# Altium PCB Timingcard_PCB.PcbDoc (part 3 of 3)
Units mil, origin at the board's own origin, x right, y up, seen from the top; angles counter-clockwise.
Board outline 7087.6 x 4375.98 mil, 6 copper layers (TOP, SGND, IN1, IN2, SGND1, BOTTOM), stack 47.2 mil thick; 167 components, 148 nets, 951 pads, 435 vias.
Unrouted connection lines stored in the file: 225.
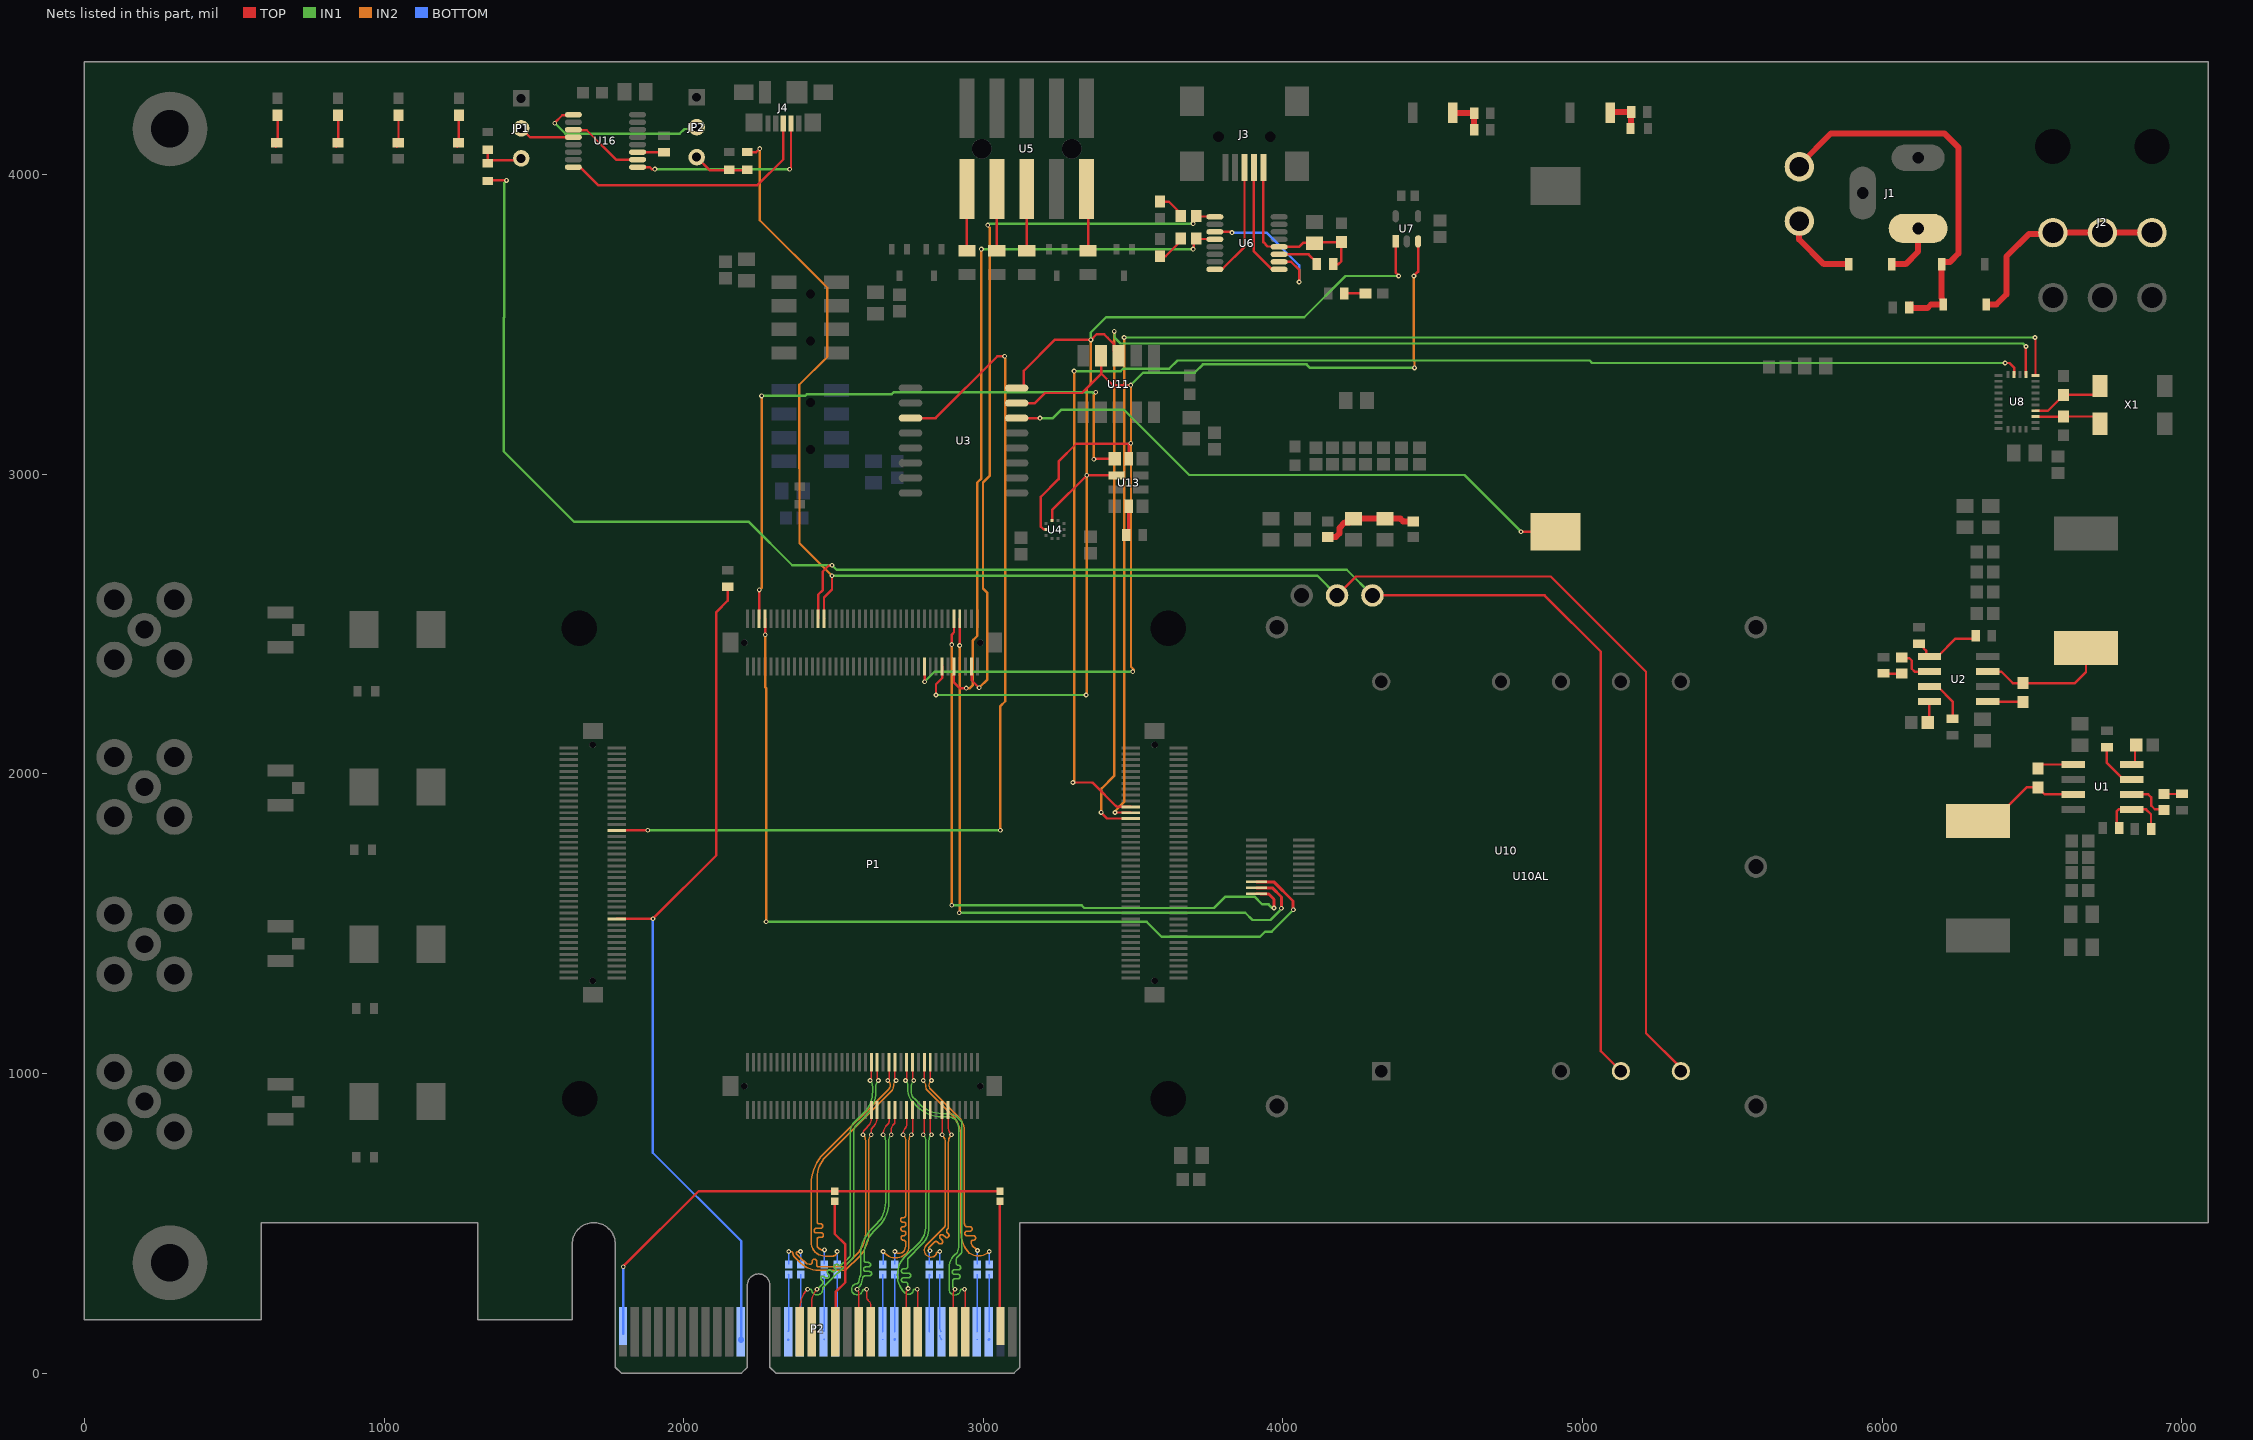
[diagram p7: the nets of this part, all layers, seen from the top]

## Via types
v1: diameter 16, hole 8, TOP to BOTTOM, 428 vias
v2: diameter 200, hole 125.98, TOP to BOTTOM, 4 vias
v3: diameter 32, hole 16, TOP to BOTTOM, 3 vias

## Nets (pads, with @x,y where several pads share a name; then routed paths per layer and width w, separated by ;. In a path a pad name is that pad's centre, name@x,y a point inside that pad or via, vN(x,y) a via of type N, cw(c..) or ccw(c..) an arc to the next point about the centre after c; other vN are vias at no path point) (continued)
MAC_RX: P1.B-28 R13.1 U10.P7 U10AL.6 | length 6086.2
  TOP w8: R13.1@2212.6,4074.8 2242.13,4074.8 v1(2253.94,4086.61) ; P1.B-28@2468.88,2518.25 2468.18,2518.95 2468.18,2588.15 2494.84,2614.81 v1(2494.84,2661.06) ; U10.P7@4180.51,2595.34 4243.64,2658.46 4893.7,2658.46 5211.61,2340.55 5211.61,1133.86 5327.76,1017.72 U10AL.6@5327.76,1007.48
  IN1 w8: v1(2494.84,2661.06) 4114.79,2661.06 U10.P7@4180.51,2595.34
  IN2 w8: v1(2253.94,4086.61) 2253.94,3847.44 2479.33,3622.05 2479.33,3391.73 2385.83,3298.23 2385.83,3019.69 2386.5,3019.01 2386.5,2769.41 v1(2494.84,2661.06)
MAC_TX: P1.B-26 R11.1 U10.P8 U10AL.5 | length 6539.1
  TOP w8: R11.1@1346.46,3978.35 1348.43,3980.32 v1(1408.46,3980.32) ; P1.B-26@2449.19,2518.25 2449.19,2597.81 2463.58,2612.2 2463.58,2674.21 2484,2694.63 2493.41,2694.63 v1(2494.84,2696.06) ; U10.P8@4298.62,2595.34 4873.16,2595.34 5061.02,2407.48 5061.02,1074.21 U10AL.5@5127.76,1007.48
  IN1 w8: v1(1408.46,3980.32) 1408.46,3979.5 1400.59,3971.63 1400.59,3523.52 1399.61,3522.54 1399.61,3075.79 1634.84,2840.55 2217.52,2840.55 2362.01,2696.06 v1(2494.84,2696.06) 2509.84,2681.06 4212.9,2681.06 U10.P8@4298.62,2595.34
MAC_USB+: P1.B-72 U10.2 | length 2165.5
  TOP w8: v1(2894.84,2431.06) 2894.84,2465 2901.95,2472.11 P1.B-72@2901.95,2518.25
  TOP w10: U10.2@3911.42,1599.62 3925.48,1599.62 3925.56,1599.54 3951.36,1599.54 3969.84,1581.06 v1(3969.84,1552.06)
  IN1 w8: v1(2894.84,1561.06) 3327.84,1561.06 3336.84,1552.06 3769.84,1552.06 3807.84,1590.06 3904.78,1590.06 3930.84,1564 3951.9,1564 3963.84,1552.06 v1(3969.84,1552.06)
  IN2 w8: v1(2894.84,1561.06) v1(2894.84,2431.06)
MAC_USB-: P1.B-74 U10.4 | length 2219.5
  TOP w8: v1(2920.84,2428.06) 2920.74,2428.17 2920.74,2517.36 P1.B-74@2921.63,2518.25
  TOP w10: U10.4@3911.42,1619.62 3911.5,1619.54 3964.36,1619.54 3994.84,1589.06 v1(3994.84,1551.06)
  IN1 w8: v1(2919.84,1536.06) 3873.78,1536.06 3897.78,1512.06 3958.13,1512.06 3989.84,1543.78 3989.84,1543.9 3994.84,1548.9 v1(3994.84,1551.06)
  IN2 w8: v1(2919.84,1536.06) 2920.84,1537.06 v1(2920.84,2428.06)
MAC_USB_PWR: P1.B-8 U10.6 | length 3009.9
  TOP w8: v1(2272.03,2463.87) P1.B-8@2272.03,2518.25
  TOP w10: U10.6@3911.42,1639.62 3911.5,1639.54 3969.36,1639.54 4033.69,1575.21 4033.69,1547.21 v1(4034.84,1546.06)
  IN1 w8: v1(2274.84,1506.06) 3544.84,1506.06 3594.84,1456.06 3922.84,1456.06 3939.84,1473.06 3961.84,1473.06 v1(4034.84,1546.06)
  IN2 w8: v1(2272.03,2463.87) 2272.03,2289.16 2274.84,2286.35 v1(2274.84,1506.06)
MISO: P1.A-23 U8.20 | length 4817.9
  TOP w8: v1(3439.25,1870.94) 3491.9,1870.94 P1.A-23@3492.02,1870.81 ; v1(6509.84,3456.06) 6511.36,3454.55 U8.20@6511.36,3329.65
  IN1 w8: v1(3469.84,3456.06) v1(6509.84,3456.06)
  IN2 w8: v1(3439.25,1870.94) 3439.25,1874.79 3438.91,1875.13 3469.84,1906.06 v1(3469.84,3456.06)
MOSI: P1.A-21 U8.17 | length 4785.6
  TOP w8: v1(3298.84,1971.06) 3360.27,1971.06 cw(c3360.27,1963.06) 3365.9,1968.75 3372.57,1962.07 3441.83,1892.82 ccw(c3447.46,1898.5) 3447.42,1890.5 P1.A-21@3492.02,1890.5 ; v1(6409.84,3371.06) 6424.84,3371.06 6440,3355.91 U8.17@6440,3332.11
  IN1 w8: v1(3302.84,3344.06) 3458.78,3344.06 3466.3,3351.58 3620.08,3351.58 3647.64,3379.14 5023.62,3379.14 5031.7,3371.06 v1(6409.84,3371.06)
  IN2 w8: v1(3298.84,1971.06) 3298.84,1973.23 3302.84,1977.23 v1(3302.84,3344.06)
NetBT1_2: BT1.2 U3.14 | length 1984.5
  TOP w8: U3.14@3111.22,3187.2 3111.32,3187.11 3188.88,3187.11 v1(3188.98,3187.01) ; v1@4795.28,2809.06 v1(4794.29,2808.07) BT1.2@4909.45,2808.07 ; BT1.2@4884.84,2789.37 BT1.2@4887.8,2786.42
  IN1 w8: v1(3188.98,3187.01) 3232.28,3187.01 3260.83,3215.55 3468.5,3215.55 3687.01,2997.05 4605.31,2997.05 v1(4794.29,2808.07)
NetC3_1: C3.1 U2.1 | length 118.2
  TOP w8: U2.1@6352.28,2241.06 6468.35,2241.06 C3.1@6469.84,2239.57
NetC3_2: C3.2 L2.2 U2.3 | length 439.5
  TOP w8: U2.3@6352.28,2341.06 6397.13,2341.06 6435.63,2302.56 C3.2@6469.84,2302.56 6643.11,2302.56 6679.84,2339.29 L2.2@6679.84,2420.12
NetC4_1: C4.1 U1.1 | length 123.2
  TOP w8: C4.1@6519.84,2017.56 6533.35,2031.06 U1.1@6637.4,2031.06
NetC4_2: C4.2 L1.2 U1.3 | length 374.5
  TOP w8: L1.2@6319.84,1842.01 6369.06,1842.01 6481.61,1954.57 C4.2@6519.84,1954.57 6519.84,1953.58 6542.36,1931.06 U1.3@6637.4,1931.06
NetC19_2: C19.2 U1.8 | length 71.8
  TOP w8: U1.8@6832.28,2031.06 6836.13,2031.06 6843.35,2038.28 C19.2@6843.35,2096.06
NetC20_1: C20.1 R8.2 | length 71.6
  TOP w8: C20.1@6931.77,1931.06 C20.1@6939.84,1922.99 ; C20.1@6939.84,1932.64 6999.96,1932.64 R8.2@7000,1932.68
NetC20_2: C20.2 U1.6 | length 145.1
  TOP w8: U1.6@6832.28,1931.06 6887.83,1931.06 6897.64,1921.26 6897.64,1893.7 6909.45,1881.89 6937.44,1881.89 C20.2@6939.84,1879.49
NetC21_2: C21.2 U2.8 | length 70.4
  TOP w8: C21.2@6156.34,2171.06 6156.34,2240 U2.8@6157.4,2241.06
NetC22_1: C22.1 R9.2 | length 65.5
  TOP w8: R9.2@6003.94,2335.04 6004.49,2334.49 C22.1@6064.84,2334.49 ; C22.1@6064.84,2344.13 C22.1@6067.91,2341.06
NetC22_2: C22.2 U2.6 | length 128
  TOP w8: C22.2@6064.84,2387.64 6066.65,2385.83 6090.55,2385.83 6098.43,2377.95 6098.43,2350.39 6107.76,2341.06 U2.6@6157.4,2341.06
NetC44_1: C44.1 P2.A13 | length 194.3
  BOTTOM w5: P2.A13@2348.43,137.8 ccw(c2345,141.22) 2349.84,141.22 C44.1@2349.84,329.13 ccw(c2351.36,327.61) C44.1@2349.21,327.61
  BOTTOM w8: P2.A13@2349.21,111.06 P2.A13@2349.84,111.69
NetC45_1: C45.1 P2.A14 | length 191.9
  BOTTOM w5: P2.A14@2387.8,137.8 ccw(c2382.85,142.74) 2389.84,142.74 C45.1@2389.84,329.13
NetC46_1: C46.1 P2.A16 | length 196
  BOTTOM w5: P2.A16@2466.54,137.8 ccw(c2460.96,143.37) 2468.84,143.37 C46.1@2468.84,329.13 ; P2.A16@2467.33,111.07 ccw(c2463.65,114.73) P2.A16@2468.84,114.73
NetC47_1: C47.1 P2.A17 | length 192.9
  BOTTOM w5: P2.A17@2505.91,137.8 ccw(c2491.57,152.13) 2511.84,152.13 C47.1@2511.84,329.13
NetC48_1: C48.1 P2.A21 | length 193.5
  BOTTOM w5: P2.A21@2663.39,137.8 ccw(c2659.87,141.31) 2664.84,141.31 C48.1@2664.84,329.13 ; P2.A21@2664.17,111.06 ccw(c2662.55,112.68) P2.A21@2664.84,112.68
NetC49_1: C49.1 P2.A22 | length 197.2
  BOTTOM w5: P2.A22@2702.76,137.8 ccw(c2697.72,142.83) 2704.84,142.83 C49.1@2704.84,329.13 ; P2.A22@2703.54,111.06 ccw(c2700.4,114.2) P2.A22@2704.84,114.2
  BOTTOM w8: P2.A22@2703.54,111.06 P2.A22@2704.84,112.36
NetC50_1: C50.1 P2.A25 | length 196.5
  BOTTOM w5: P2.A25@2820.87,137.8 cw(c2823.33,140.26) 2819.84,140.26 C50.1@2819.84,329.13 cw(c2815.47,324.76) C50.1@2821.65,324.76
NetC51_1: C51.1 P2.A26 | length 209.4
  BOTTOM w5: P2.A26@2854.84,125.98 ccw(c2875.94,125.98) P2.A26@2861,111.08 ; C51.1@2854.84,329.13 2854.84,150.81 ccw(c2873.25,150.81) P2.A26@2860.24,137.8
NetC52_1: C52.1 P2.A29 | length 195.5
  BOTTOM w5: P2.A29@2978.35,137.8 ccw(c2974.73,141.41) 2979.84,141.41 C52.1@2979.84,329.13 ccw(c2981.56,327.42) C52.1@2979.13,327.42 ; P2.A29@2979.13,111.06 ccw(c2977.42,112.78) P2.A29@2979.84,112.78
NetC53_1: C53.1 P2.A30 | length 197.4
  BOTTOM w5: P2.A30@3017.72,137.8 ccw(c3012.58,142.93) 3019.84,142.93 C53.1@3019.84,329.13 ccw(c3023.08,325.9) C53.1@3018.5,325.9
  BOTTOM w8: P2.A30@3018.5,111.06 P2.A30@3019.84,112.4
NetC54_2: C54.2 C55.2 J3.1 R27.1 U6.12 | length 619.6
  TOP w8: J3.1@3934.45,4023.7 3934.45,3774.21 3948.82,3759.84 3985.85,3759.84 U6.12@3987.13,3758.56 4053.84,3758.56 4066.93,3771.65 4103.82,3771.65 C54.2@4104.84,3770.63 4108.78,3774.57 C55.2@4194.84,3774.57 4194.84,3710.59 4185.31,3701.06 R27.1@4167.01,3701.06
NetC72_2: C72.2 C73.2 FB2.2 FB3.1 | length 325.1
  TOP w20: FB3.1@4149.84,2789.88 4150.02,2790.06 4176.13,2790.06 4187.84,2801.78 4187.84,2820.06 4206.64,2838.86 4222.2,2838.86 C73.2@4234.84,2851.5 C72.2@4339.84,2851.5 4391.84,2851.5 4401.09,2842.24 FB2.2@4434.84,2842.24
NetC85_2: C85.2 U8.27 X1.1 | length 227.4
  TOP w8: U8.27@6511.36,3191.85 6604.13,3191.85 C85.2@6604.84,3192.56 6704.98,3192.56 6726.57,3170.97 X1.1@6726.57,3168.07
NetC86_2: C86.2 U8.26 X1.4 | length 254.6
  TOP w8: U8.26@6511.36,3211.54 6552.8,3211.54 6604.84,3263.58 C86.2@6604.84,3264.57 6704.98,3264.57 6726.57,3286.16 X1.4@6726.57,3294.06
NetD1_1: D1.1 SW1.2 | length 272
  TOP w20: SW1.2@5722.05,3844.49 5722.05,3783.86 5804.84,3701.06 5880.12,3701.06 5887.99,3708.94 D1.1@5887.99,3701.06
NetD1_2: D1.2 J1.1 | length 182.3
  TOP w20: D1.2@6031.69,3701.06 6077.84,3701.06 6119.84,3743.06 J1.1@6119.84,3819.84
NetD2_1: D2.1 D3.1 F1.1 SW1.1 | length 1292.4
  TOP w20: SW1.1@5725.39,4033.46 5829.09,4137.17 6207.32,4137.17 6253.94,4090.55 6253.94,3736.22 6226.33,3708.61 6200.79,3708.61 6197.99,3705.82 D3.1@6197.99,3701.06 6197.99,3588.45 6200.2,3586.24 6200.2,3568.86 D2.1@6202.99,3566.06 6162.84,3566.06 6150.84,3554.06 6094.18,3554.06 6094.18,3565.75 6090.01,3561.57 F1.1@6090.01,3556.06
NetD2_2: D2.2 J2.1 J2.2 J2.3 | length 727.3
  TOP w20: D2.2@6346.69,3566.06 6381.02,3566.06 6414.37,3599.41 6414.37,3726.38 6490.28,3802.28 6565.71,3802.28 J2.1@6569.49,3806.06 J2.2@6734.84,3806.06 J2.3@6900.2,3806.06
NetD4_1: D4.1 R1.2 | length 70.7
  TOP w8: R1.2@4204.92,3603.35 D4.1@4275.59,3603.35
NetD9_1: D9.1 R25.2 | length 98.4
  TOP w8: D9.1@3589.84,3909.61 3618.58,3909.61 3667.13,3861.06 R25.2@3668.11,3861.06
NetD10_1: D10.1 R26.2 | length 102.5
  TOP w8: D10.1@3589.84,3727.52 3608.58,3727.52 3667.13,3786.06 R26.2@3668.11,3786.06
NetD11_1: D11.1 R16.2 | length 106.7
  TOP w8: R16.2@638.97,4093.23 644.84,4099.1 D11.1@644.84,4197.52
NetD12_1: D12.1 R28.2 | length 101.7
  TOP w8: R28.2@840.64,4093.23 846.51,4099.1 D12.1@846.51,4192.52
NetD13_1: D13.1 R29.2 | length 101.7
  TOP w8: R29.2@1042.3,4093.23 1048.18,4099.1 D13.1@1048.18,4192.52
NetD14_1: D14.1 R30.2 | length 101.7
  TOP w8: R30.2@1243.97,4093.23 1249.84,4099.1 D14.1@1249.84,4192.52
NetJ3_2: J3.2 U6.9 | length 389.2
  TOP w8: J3.2@3902.95,4023.7 3902.95,3743.55 3958.8,3687.7 3960.67,3687.7 3964.81,3683.56 U6.9@3987.13,3683.56
NetJ3_3: J3.3 U6.8 | length 395.3
  TOP w8: U6.8@3772.56,3683.56 3794.87,3683.56 3799.02,3687.7 3800.88,3687.7 3871.46,3758.28 J3.3@3871.46,4023.7
NetJ4_2: J4.2 U16.9 | length 664.7
  TOP w8: U16.9@1846.13,4024.56 1886.85,4024.56 1893.35,4018.06 v1(1903.84,4018.06) ; v1(2353.35,4017.72) 2358.16,4022.53 J4.2@2358.16,4170.34
  IN1 w8: v1(1903.84,4018.06) 1904.19,4017.72 v1(2353.35,4017.72)
NetJ4_3: J4.3 U16.8 | length 881.8
  TOP w8: U16.8@1631.56,4024.56 1653.87,4024.56 1658.73,4019.7 1659.2,4019.7 1715.32,3963.58 2245.08,3963.58 2332.57,4051.07 J4.3@2332.57,4170.34
NetJP1_2: JP1.2 U16.4 | length 186
  TOP w8: JP1.2@1457.68,4153.94 1487.05,4124.56 U16.4@1631.56,4124.56
NetJP1_3: JP1.3 R10.2 R11.2 | length 163.3
  TOP w8: R10.2@1346.46,4082.68 R11.2@1346.46,4037.4 1356.24,4047.18 1450.92,4047.18 JP1.3@1457.68,4053.94
NetJP2_2: JP2.2 U16.1 | length 569.2
  TOP w8: v1(1569.88,4171.26) 1569.88,4173.23 1594.36,4197.7 1629.7,4197.7 U16.1@1631.56,4199.56
  IN1 w8: v1(1569.88,4171.26) 1605.08,4136.06 1986.37,4136.06 2002.37,4152.06 JP2.2@2043.31,4152.06
NetJP2_3: JP2.3 R12.2 R13.2 | length 185.2
  TOP w8: JP2.3@2043.31,4057.87 2086.42,4014.76 2151.57,4014.76 R13.2@2210.63,4014.76
NetP2_B17: P2.B17 R23.2 | length 464.6
  TOP w8: R23.2@2503.94,573.82 2503.94,464.57 2539.37,429.13 2539.37,303.15 2507.87,271.65 2507.87,139.76 P2.B17@2505.91,137.8
NetP2_B31: P2.B31 R24.2 | length 422.9
  TOP w8: R24.2@3053.15,571.85 R24.2@3055.12,573.82 3055.12,159.26 P2.B31@3057.09,157.3 ; P2.B31@3057.87,130.56 P2.B31@3059.84,132.53
NetR2_1: R2.1 U1.7 | length 158.1
  TOP w8: R2.1@6749.84,2088.9 6749.84,2035.94 6804.72,1981.06 U1.7@6832.28,1981.06
NetR3_1: R3.1 U2.7 | length 156.1
  TOP w8: U2.7@6157.4,2291.06 6184.96,2291.06 6234.84,2241.18 R3.1@6234.84,2183.23
NetR4_2: R4.2 R6.2 U1.5 | length 259.2
  TOP w8: R6.2@6782.01,1816.06 6782.01,1874.53 6788.54,1881.06 U1.5@6804.72,1881.06 ; R4.2@6897.01,1816.06 6897.01,1864.8 6880.75,1881.06 U1.5@6832.28,1881.06 ; U1.5@6804.72,1881.06 U1.5@6832.28,1881.06 ; U1.5@6804.72,1881.06 U1.5@6832.28,1881.06
NetR5_1: R5.1 R7.2 U2.5 | length 242.3
  TOP w8: R5.1@6122.84,2433.9 6128.35,2433.9 6138.53,2423.72 6138.53,2418.21 6147.14,2409.6 6147.14,2398.28 6154.36,2391.06 U2.5@6157.4,2391.06 6184.96,2391.06 6244.96,2451.06 R7.2@6312.68,2451.06
NetR18_2: R18.2 U5.1 | length 205.6
  TOP w8: R18.2@2944.84,3745.43 U5.1@2944.84,3951.06
NetR19_2: R19.2 U5.3 | length 205.6
  TOP w8: R19.2@3044.84,3745.43 U5.3@3044.84,3951.06
NetR20_2: R20.2 U5.5 | length 205.6
  TOP w8: R20.2@3144.84,3745.43 U5.5@3144.84,3951.06
NetR21_2: R21.2 U5.9 | length 207.7
  TOP w8: U5.9@3344.84,3951.06 3349.84,3946.06 R21.2@3349.84,3745.43
NetR27_2: R27.2 U6.11 | length 142.2
  TOP w8: U6.11@3987.13,3733.56 4085.69,3733.56 4112.68,3706.57 R27.2@4112.68,3701.06
NetR33_1: R33.1 R35.2 S5.2 | length 127.1
  TOP w20: S5.2@4566.77,4206.06 4568.11,4204.72 R33.1@4638.19,4204.72 R35.2@4638.19,4149.61
NetR34_1: R34.1 R36.2 S6.2 | length 127.2
  TOP w20: S6.2@5091.77,4206.06 5094.37,4208.66 R34.1@5161.81,4208.66 5160.63,4207.48 5160.63,4154.72 R36.2@5159.45,4153.54
NetR42_1: R42.1 U13.5 | length 98.2
  TOP w10: R42.1@3477.68,2797.06 3484.84,2804.23 U13.5@3484.84,2892.34
NetR43_2: R43.2 U16.11 | length 87.9
  TOP w8: U16.11@1846.13,4074.56 1933.51,4074.56 R43.2@1933.84,4074.9
NetU6_3: U6.3 U6.10 | length 501.5
  TOP w8: U6.3@3772.56,3808.56 3827.34,3808.56 v1(3829.84,3806.06) ; U6.10@3987.13,3708.56 4027.67,3708.56 4053.78,3682.45 v1(4053.78,3641.44)
  BOTTOM w8: v1(3829.84,3806.06) 3944.84,3806.06 4053.78,3697.13 v1(4053.78,3641.44)
NetU16_3: U16.3 U16.10 | length 256
  TOP w8: U16.3@1631.56,4149.56 1633.42,4147.7 1676.2,4147.7 1774.34,4049.56 U16.10@1846.13,4049.56
OE_5356: P1.B-6 U13.1 | length 2171
  TOP w8: P1.B-6@2252.34,2518.25 v1(2252.34,2613.56) ; v1(3368.84,3050.06) 3371.01,3050.06 3372.73,3051.79 U13.1@3438.58,3051.79
  IN1 w8: v1(2259.84,3261.06) 2405.58,3261.06 2411.18,3266.65 2693.63,3266.65 2700.04,3273.06 v1(3374.84,3273.06) 3373.31,3271.53 3367.65,3271.53 3366.69,3270.56
  IN2 w8: v1(2252.34,2613.56) 2259.84,2621.06 v1(2259.84,3261.06) ; v1(3368.84,3050.06) 3368.84,3264.9 3374.84,3270.9 v1(3374.84,3273.06)
PCIE_CLK_N: C45.2 P1.D-38 | length 825.7
  TOP w5: v1(2598.43,795.28) cw(c2626.94,795.28) 2606.78,815.44 2618.11,826.77 ccw(c2598.16,846.72) 2626.37,846.72 P1.D-38@2626.37,878.87
  IN2 w5: v1(2389.76,405.51) cw(c2388.16,407.12) 2388.16,404.85 2380.58,404.85 ccw(c2380.58,399.85) 2377.04,403.38 ccw(c2380.58,399.85) 2375.58,399.85 ccw(c2380.58,399.85) 2377.04,396.31 2397.3,376.05 ccw(c2449.75,428.5) 2409.45,366.23 ccw(c2449.75,428.5) 2411.95,364.68 2419.07,362.73 ccw(c2421.05,369.97) 2428.55,369.97 2428.55,372.22 cw(c2436.05,372.22) 2443.55,372.22 2443.55,361.75 ccw(c2451.05,361.75) 2449.07,354.52 2449.75,354.33 2460.63,354.33 2468.55,354.33 2535.43,354.33 2577.42,396.31 ccw(c2506.7,467.02) 2606.7,467.02 2606.7,775.14 ccw(c2578.44,775.14) 2598.43,795.13 v1(2598.43,795.28)
  BOTTOM w5: v1(2389.76,405.51) 2389.76,363.07 C45.2@2389.84,362.99
PCIE_CLK_P: C44.2 P1.D-36 | length 828.6
  TOP w5: v1(2625.98,795.28) 2625.98,809.39 cw(c2639.43,809.39) 2629.92,818.9 ccw(c2590.98,857.84) 2646.05,857.84 P1.D-36@2646.05,878.87
  IN2 w5: v1(2350.39,405.51) ccw(c2352,407.12) 2352,404.85 2359.58,404.85 cw(c2359.58,399.85) 2363.11,403.38 cw(c2359.58,399.85) 2364.58,399.85 2364.58,397.57 ccw(c2375.08,397.57) 2367.65,390.15 2389.63,368.17 ccw(c2449.59,428.12) 2449.59,343.33 2535.48,343.33 ccw(c2535.48,354.21) 2543.18,346.52 2585.23,388.57 ccw(c2506.84,466.97) 2617.7,466.97 2617.7,775.14 cw(c2645.97,775.14) 2625.98,795.13 v1(2625.98,795.28)
  BOTTOM w5: C44.2@2349.84,362.99 ccw(c2348.51,364.32) 2350.39,364.32 v1(2350.39,405.51)
PCIE_PERST: P1.C-21 P2.A11 R22.1 | length 2867.4
  TOP w8: P1.C-21@1776.55,1516.52 v1(1897.3,1516.52) 2108.84,1728.06 2108.84,2540.06 2146.84,2578.06 R22.1@2146.84,2624.9 R22.1@2141.33,2624.9
  BOTTOM w8: v1(1897.3,1516.52) 1896.84,1516.06 1896.84,735.06 2191.73,440.17 P2.A11@2191.73,111.06
  BOTTOM w20: P2.A11@2190.61,112.19 P2.A11@2191.73,111.06
PCIE_RX0_N: P1.D-37 P2.B15 | length 1072
  TOP w5: P2.B15@2418.84,133.06 ccw(c2449.95,133.06) P2.B15@2427.95,111.06 ; P2.B15@2427.17,137.8 2427.17,236.76 cw(c2487.65,236.76) v1(2444.88,279.53) ; v1(2622.05,976.38) ccw(c2622.05,980.7) 2626.37,980.7 P1.D-37@2626.37,1038.31
  IN1 w5: v1(2444.88,279.53) 2460.63,295.28 2462.4,297.04 ccw(c2457.09,302.35) 2462.4,307.65 2459.1,310.95 cw(c2464.41,316.25) 2459.1,321.55 cw(c2464.41,316.25) 2469.71,321.55 2473,318.26 ccw(c2478.31,323.56) 2483.61,318.26 ccw(c2478.31,323.56) 2483.61,328.86 2481.14,331.33 cw(c2486.45,336.64) 2481.14,341.94 cw(c2486.45,336.64) 2491.75,341.94 2494.22,339.47 ccw(c2499.52,344.77) 2504.82,339.47 ccw(c2499.52,344.77) 2504.82,350.08 cw(c2510.13,355.38) 2504.82,360.68 cw(c2510.13,355.38) 2515.43,360.68 ccw(c2520.73,365.99) 2526.04,360.68 2543.59,378.24 2553.72,388.36 ccw(c2548.38,393.7) 2555.93,393.7 2555.93,802.55 cw(c2606.86,802.55) 2570.85,838.56 2601.04,868.75 ccw(c2530.33,939.46) 2630.33,939.46 2630.33,956.24 ccw(c2602.06,956.24) 2622.05,976.23 v1(2622.05,976.38)
PCIE_RX0_P: P1.D-35 P2.B14 | length 1047.6
  TOP w5: P2.B14@2387.8,137.8 2387.8,217.75 cw(c2475.17,217.75) v1(2413.39,279.53) ; P1.D-35@2646.05,1038.31 2646.05,979.93 ccw(c2649.61,979.93) v1(2649.61,976.38)